# Allegro board SDHCalFEB20180110.brd (continued)
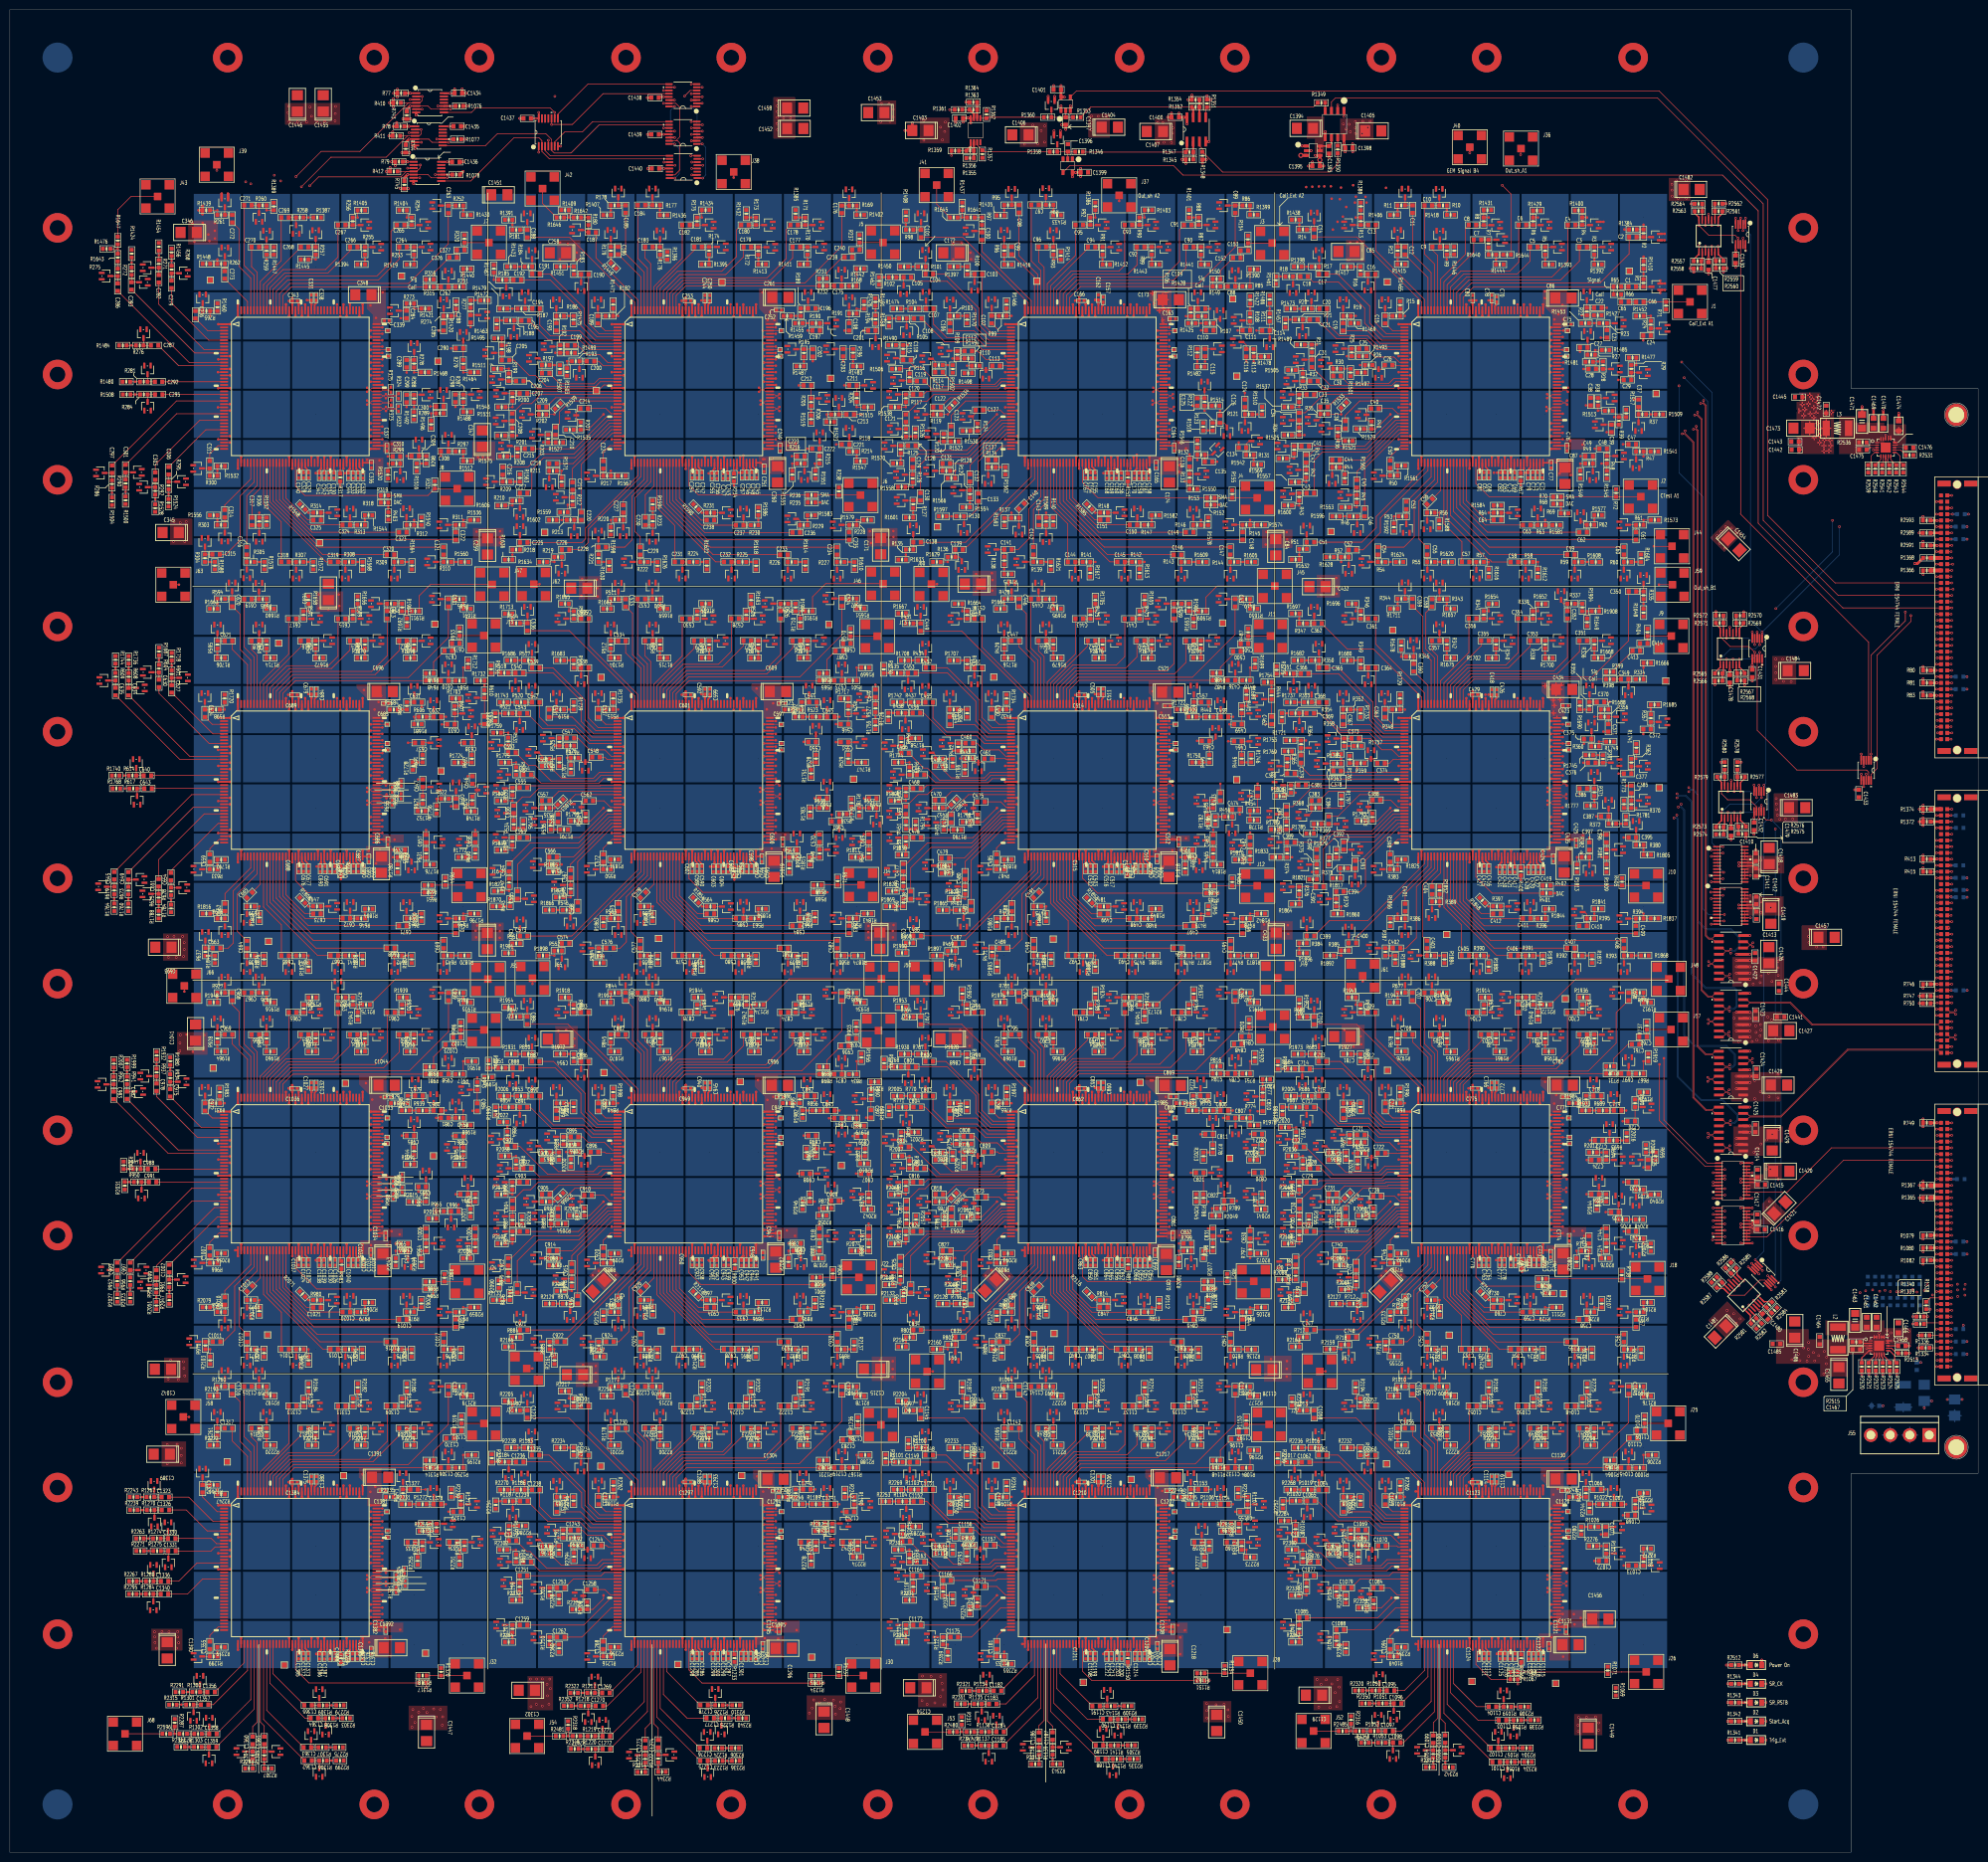
[diagram p0: board, top side]
## Routing (per net, layer and track width the routed paths; a pad name or vN(x,y) marks a point on that pad's centre or on a via; arc(x,y) is an arc through that point) (continued)
SELECT_A: length 384.4
  TOP w0.127: U260.114 v1(73.38,306.62) ; U195.114 154.57,306.62 U195.114 ; U195.114 v1(153.39,306.62) ; U65.114 v1(315.77,306.62) ; v1(233.4,306.62) U130.114 ; U1050.9 v4(348.5,199.12)
  GND1 w0.127: v1(73.38,306.62) v2(74.12,306.62) ; v1(315.77,306.62) v2(316.51,306.62) ; v2(152.65,306.62) v1(153.39,306.62) ; v2(232.66,306.62) v1(233.4,306.62)
  SIG2 w0.127: v2(74.12,306.62) 152.11,306.62 152.11,306.62 v2(152.65,306.62) 180.5,306.62 181.42,305.7 187.34,305.7 188.26,306.62 v2(232.66,306.62) v2(316.51,306.62) 327.38,306.62 331.17,302.83 v4(339.97,302.83)
  BOTTOM w0.127: v4(339.97,302.83) 340.29,302.51 340.29,302.49 346.13,296.65 346.13,205.08 347.27,203.94 347.27,200.36 v4(348.5,199.12)
SELECT_B: length 307.2
  TOP w0.127: U390.114 v1(233.4,226.61) ; U1050.10 v4(345.67,198.47) ; U325.114 v1(315.77,226.61) ; U455.114 v1(153.39,226.61) ; U520.114 v1(73.38,226.61)
  GND1 w0.127: v1(73.38,226.61) v2(72.64,226.61) ; v1(153.39,226.61) v2(152.65,226.61) ; v1(233.4,226.61) v2(232.66,226.61) ; v1(315.77,226.61) v2(316.51,226.61)
  SIG2 w0.127: v2(72.64,226.61) 152.11,226.61 v2(152.65,226.61) v2(232.66,226.61) 262.75,226.61 263.35,227.2 309.52,227.2 310.12,226.61 v2(316.51,226.61) 330.69,226.61 332.61,224.69 v2(341.5,224.69)
  SIG3 w0.127: v2(341.5,224.69) 344.25,221.95 344.25,199.9 v4(345.67,198.47)
SELECT_C: length 320.3
  TOP w0.127: U650.114 v1(233.4,146.6) ; U1050.11 v4(348.34,197.82) ; U715.114 v1(153.39,146.6) ; U780.114 v1(73.38,146.6) ; v1(315.78,146.6) U585.114
  GND1 w0.127: v1(315.78,146.6) v2(316.51,146.6) ; v1(153.39,146.6) v2(152.66,146.6) ; v1(73.38,146.6) v2(72.65,146.6) ; v1(233.4,146.6) v2(232.67,146.6)
  SIG1 w0.127: v2(316.51,146.6) 319.91,150 319.91,172.87 344.86,197.82 v4(348.34,197.82)
  SIG2 w0.127: v2(72.65,146.6) 97.19,146.6 97.84,145.95 101.85,145.95 102.51,146.6 v2(152.66,146.6) v2(232.67,146.6) 256.96,146.6 257.68,145.87 263.2,145.87 263.92,146.6 v2(316.51,146.6)
SELECT_D: length 399.3
  TOP w0.127: U845.114 v1(315.78,66.59) ; U975.114 v1(153.39,66.59) ; U1050.12 v4(345.97,197.17) ; U1040.114 v1(73.38,66.59) ; U910.114 v1(233.4,66.59)
  GND1 w0.127: v1(73.38,66.59) v2(72.65,66.59) ; v1(315.78,66.59) v2(316.51,66.59) ; v1(153.39,66.59) v2(152.66,66.59) ; v1(233.4,66.59) v2(232.67,66.59)
  SIG2 w0.127: v2(72.65,66.59) 77.43,66.59 78,66.01 99.09,66.01 99.49,65.61 105.08,65.61 106.06,66.59 v2(152.66,66.59) 159.09,66.59 160.17,65.51 163.93,65.51 164.36,65.94 180.26,65.94 180.91,66.59 v2(232.67,66.59) 243.57,66.59 244.37,65.79 247.58,65.79 247.59,65.8 248.06,65.8 248.08,65.79 262.38,65.79 263.19,66.59 v2(316.51,66.59) 318.91,66.59 339.17,86.84 339.17,190.37 v4(345.97,197.17)
SR_A1TOA2: length 85.5
  TOP w0.127: TP16.1 316.74,309.22 v1(315.9,309.22) U65.118 ; v1(235.76,308.57) U130.117
  GND1 w0.127: v2(236.5,308.57) v1(235.76,308.57) ; v1(315.9,309.22) v2(316.76,309.22)
  SIG2 w0.127: v2(236.5,308.57) 311.87,308.57 312.52,309.22 v2(316.76,309.22)
SR_A2TOA3: length 82.6
  TOP w0.127: TP25.1 236.9,309.22 U130.118 v1(233.4,309.22) ; v1(155.75,308.57) U195.117
  GND1 w0.127: v1(155.75,308.57) v2(156.49,308.57) ; v1(233.4,309.22) v2(232.66,309.22)
  SIG2 w0.127: v2(156.49,308.57) 179.74,308.57 180.39,309.22 v2(232.66,309.22)
SR_A3TOA4: length 82.6
  TOP w0.127: v1(153.11,309.22) U195.118 154.58,309.22 TP36.1 ; v1(75.74,308.57) U260.117
  GND1 w0.127: v1(153.11,309.22) v2(152.22,309.22) ; v2(76.48,308.57) v1(75.74,308.57)
  SIG2 w0.127: v2(152.22,309.22) 97.23,309.22 96.58,308.57 v2(76.48,308.57)
SR_B1TOB2: length 85.2
  TOP w0.127: SR.1 316.88,229.21 v1(315.77,229.21) U325.118 ; U390.117 v1(235.76,228.56)
  GND1 w0.127: v1(235.76,228.56) v2(236.5,228.56) ; v1(315.77,229.21) v2(316.51,229.21)
  SIG2 w0.127: v2(236.5,228.56) 261.58,228.56 262.23,229.21 v2(316.51,229.21)
SR_B2TOB3: length 82.7
  TOP w0.127: v1(233.4,229.21) U390.118 234.59,229.22 TP58.1 ; U455.117 v1(155.75,228.56)
  GND1 w0.127: v1(233.4,229.21) v2(232.66,229.21) ; v1(155.75,228.56) v2(156.49,228.56)
  SIG2 w0.127: v2(232.66,229.21) 184.81,229.21 184.16,228.56 v2(156.49,228.56)
SR_B3TOB4: length 82.6
  TOP w0.127: U520.117 v1(75.74,228.56) ; TP69.1 156.85,229.21 U455.118 v1(153.39,229.21)
  GND1 w0.127: v1(153.39,229.21) v2(152.65,229.21) ; v1(75.74,228.56) v2(76.48,228.56)
  SIG2 w0.127: v2(152.65,229.21) 99.21,229.21 98.56,228.56 v2(76.48,228.56)
SR_C1TOC2: length 85.4
  TOP w0.127: U585.118 v1(315.78,149.2) 317.01,149.2 TP91.1 ; U650.117 v1(235.76,148.55)
  GND1 w0.127: v1(315.78,149.2) v2(316.51,149.2) ; v1(235.76,148.55) v2(236.5,148.55)
  SIG2 w0.127: v2(316.51,149.2) 258.14,149.2 257.49,148.55 v2(236.5,148.55)
SR_C2TOC3: length 80.3
  TOP w0.127: U650.118 v1(233.4,149.2) ; U715.117 v1(155.75,148.55)
  GND1 w0.127: v1(233.4,149.2) v2(232.67,149.2) ; v1(155.75,148.55) v2(156.49,148.55)
  SIG2 w0.127: v2(232.67,149.2) 178.74,149.2 178.09,148.55 v2(156.49,148.55)
SR_C3TOC4: length 82.5
  TOP w0.127: TP113.1 156.76,149.2 U715.118 v1(153.39,149.2) ; U780.117 v1(75.74,148.55)
  GND1 w0.127: v1(153.39,149.2) v2(152.66,149.2) ; v1(75.74,148.55) v2(76.48,148.55)
  SIG2 w0.127: v2(76.48,148.55) 97.6,148.55 98.25,149.2 v2(152.66,149.2)
SR_CK_A: length 361.8
  TOP w0.127: J35.B16 v4(391.72,245.24) ; U65.116 v1(315.77,307.92) ; v1(73.38,307.92) U260.116 ; U195.116 154.57,307.92 U195.116 ; U195.116 v1(153.39,307.92) ; v1(233.4,307.92) U130.116
  GND1 w0.127: v1(233.4,307.92) v2(232.66,307.92) ; v1(315.77,307.92) v2(316.51,307.92) ; v2(72.64,307.92) v1(73.38,307.92) ; v2(152.65,307.92) v1(153.39,307.92)
  SIG1 w0.127: v2(316.51,307.92) 320.62,307.92 321.06,308.36 335.51,308.36 349.86,294 349.86,280.77 385.39,245.24 v4(391.72,245.24)
  SIG2 w0.127: v2(316.51,307.92) v2(232.66,307.92) v2(152.65,307.92) v2(72.64,307.92)
SR_CK_B: length 336.5
  TOP w0.127: U520.116 v1(73.38,227.91) ; J35.A1 v4(394.75,226.19) ; U325.116 v1(315.77,227.91) ; U390.116 v1(233.4,227.91) ; U455.116 v1(153.39,227.91)
  GND1 w0.127: v1(153.39,227.91) v2(152.65,227.91) ; v1(315.77,227.91) v2(316.51,227.91) ; v1(233.4,227.91) v2(232.66,227.91) ; v1(73.38,227.91) v2(72.64,227.91)
  SIG1 w0.127: v2(316.51,227.91) 323.78,227.91 323.82,227.88 324.29,227.88 324.32,227.91 324.81,227.91 326.03,229.13 353.24,229.13 359.97,222.4 372.59,222.4 375.49,225.3 393.86,225.3 v4(394.75,226.19)
  SIG2 w0.127: v2(72.64,227.91) 99.06,227.91 99.69,228.55 152.01,228.55 v2(152.65,227.91) v2(232.66,227.91) 262.07,227.91 262.74,228.57 310.87,228.57 311.54,227.91 v2(316.51,227.91)
SR_CK_C: length 341.6
  TOP w0.127: U780.116 v1(73.38,147.9) ; U715.116 v1(153.39,147.9) ; J34.B16 v4(391.8,181.49) ; U650.116 v1(233.4,147.9) ; v1(315.78,147.9) U585.116
  GND1 w0.127: v1(153.39,147.9) v2(152.66,147.9) ; v1(315.78,147.9) v2(316.51,147.9) ; v1(233.4,147.9) v2(232.67,147.9) ; v1(73.38,147.9) v2(72.65,147.9)
  SIG1 w0.127: v2(329.41,147.98) 330.14,147.98 363.65,181.49 v4(391.8,181.49)
  SIG2 w0.127: v2(329.41,147.98) 328.87,147.98 328.79,147.9 v2(316.51,147.9) v2(232.67,147.9) v2(152.66,147.9) v2(72.65,147.9)
SR_CK_D: length 355.6
  TOP w0.127: U975.116 v1(153.39,67.89) ; U910.116 v1(233.4,67.89) ; J33.B26 v4(391.77,130.43) ; U845.116 v1(315.78,67.89) ; U1040.116 v1(73.38,67.89)
  GND1 w0.127: v1(233.4,67.89) v2(232.67,67.89) ; v1(153.39,67.89) v2(152.66,67.89) ; v1(73.38,67.89) v2(72.65,67.89) ; v1(315.78,67.89) v2(316.51,67.89)
  SIG1 w0.127: v2(316.51,67.89) 321.69,67.89 349.81,96.01 349.81,99.34 380.9,130.43 v4(391.77,130.43)
  SIG2 w0.127: v2(316.51,67.89) v2(232.67,67.89) v2(152.66,67.89) v2(72.65,67.89)
SR_CK_E: length 99.6
  TOP w0.127: v4(357.12,34.21) 356.24,34.21 ; J33.A11 v4(394.75,111.38)
  SIG1 w0.127: v4(394.75,111.38) 394.08,110.71 394.08,104.24 381.01,91.17 380.7,91.17 380.43,90.9 380.43,90.83 380.3,90.7 371.73,90.7 357.12,76.1 v4(357.12,34.21)
SR_D1TOD2: length 85.2
  TOP w0.127: U845.118 v1(315.78,69.19) 316.83,69.19 TP137.1 ; U910.117 v1(235.76,68.54)
  GND1 w0.127: v1(235.76,68.54) v2(236.5,68.54) ; v1(315.78,69.19) v2(316.51,69.19)
  SIG2 w0.127: v2(236.5,68.54) 257.08,68.54 257.73,69.19 v2(316.51,69.19)
SR_D2TOD3: length 80.3
  TOP w0.127: U910.118 v1(233.4,69.19) ; U975.117 v1(155.75,68.54)
  GND1 w0.127: v1(155.75,68.54) v2(156.49,68.54) ; v1(233.4,69.19) v2(232.67,69.19)
  SIG2 w0.127: v2(156.49,68.54) 182,68.54 182.65,69.19 v2(232.67,69.19)
SR_D3TOD4: length 82.6
  TOP w0.127: TP157.1 156.91,69.19 U975.118 v1(153.39,69.19) ; U1040.117 v1(75.74,68.54)
  GND1 w0.127: v1(75.74,68.54) v2(76.48,68.54) ; v1(153.39,69.19) v2(152.66,69.19)
  SIG2 w0.127: v2(76.48,68.54) 97.42,68.54 98.07,69.19 v2(152.66,69.19)
SR_IN_A: length 118.6
  TOP w0.127: J35.A17 v4(394.95,246.51) ; v1(313.41,308.57) U65.117
  GND1 w0.127: v1(313.41,308.57) v2(314.15,308.57)
  SIG1 w0.127: v2(314.15,308.57) 320.15,308.57 321.54,309.96 335.81,309.96 351.08,294.69 351.08,281.03 384.96,247.14 394.31,247.14 v4(394.95,246.51)
SR_IN_B: length 85.4
  TOP w0.127: v1(313.41,228.56) U325.117 ; J35.B2 v4(392,227.46)
  GND1 w0.127: v2(314.15,228.56) v1(313.41,228.56)
  SIG1 w0.127: v2(314.15,228.56) 323.12,228.56 324.35,229.78 353.99,229.78 360.45,223.32 372.21,223.32 376.35,227.46 v4(392,227.46)
SR_IN_C: length 104.7
  TOP w0.127: U585.117 v1(313.41,148.55) ; J34.A17 v4(394.75,182.76)
  GND1 w0.127: v2(314.15,148.55) v1(313.41,148.55)
  SIG1 w0.127: v2(330,149.61) 346.86,166.47 346.86,178.87 349.83,181.84 353.85,181.84 354.05,182.04 394.04,182.04 v4(394.75,182.76)
  SIG2 w0.127: v2(330,149.61) 325.54,149.61 324.49,148.55 v2(314.15,148.55)
SR_IN_D: length 110.9
  TOP w0.127: U845.117 v1(313.41,68.54) ; v4(394.75,131.7) J33.A27
  GND1 w0.127: v1(313.41,68.54) v2(312.68,68.54)
  SIG1 w0.127: v2(312.68,68.54) 317.36,68.54 379.91,131.09 394.14,131.09 v4(394.75,131.7)
SR_IN_E: length 3.3
  TOP w0.127: J33.B12 390.48,112.65 R1338.2
SR_OUT_A: length 365.6
  TOP w0.127: TP47.1 76.86,309.22 U260.118 v1(73.38,309.22) ; v4(391.92,247.78) J35.B18
  GND1 w0.127: v1(73.38,309.22) v2(72.64,309.22)
  SIG2 w0.127: v2(72.64,309.22) 73.92,309.22 82.93,318.24 329.84,318.24 352.83,295.25 352.83,280.9 385.95,247.78 v4(391.92,247.78)
SR_OUT_B: length 336.7
  TOP w0.127: TP80.1 76.75,229.21 U520.118 v1(73.38,229.21) ; v4(394.75,228.73) J35.A3
  GND1 w0.127: v1(73.38,229.21) v2(72.64,229.21)
  SIG2 w0.127: v4(394.75,228.73) 394.09,229.39 368.83,229.39 365.43,232.79 327.33,232.79 319.46,240.66 84.1,240.66 v2(72.64,229.21)
SR_OUT_C: length 342.9
  TOP w0.127: v1(73.38,149.2) U780.118 76.78,149.2 TP126.1 ; v4(391.92,184.03) J34.B18
  GND1 w0.127: v1(73.38,149.2) v2(72.65,149.2)
  SIG2 w0.127: v2(72.65,149.2) 84.34,160.89 252.44,160.89 252.5,160.96 322.45,160.96 327.46,155.96 v2(337.26,155.96)
  SIG3 w0.127: v2(337.26,155.96) 337.36,155.85 363.75,155.85 v4(391.92,184.03)
SR_OUT_D: length 353.9
  TOP w0.127: v4(394.75,134.24) J33.A29 ; v1(73.38,69.19) U1040.118 76.67,69.19 TP170.1
  GND1 w0.127: v1(73.38,69.19) v2(72.65,69.19)
  SIG1 w0.127: v2(327.15,86.74) 334.39,86.74 381.28,133.63 394.14,133.63 v4(394.75,134.24)
  SIG2 w0.127: v2(72.65,69.19) 81.76,78.31 318.72,78.31 v2(327.15,86.74)
SR_OUT_E: length 7.6
  TOP w0.127: R1338.1 v4(390.5,110.34) ; v4(394.75,113.92) J33.A13
  SIG2 w0.127: v4(394.75,113.92) 393.58,113.92 390.5,110.85 v4(390.5,110.34)
SR_RSTB_A: length 360
  TOP w0.127: U65.115 v1(313.41,307.27) ; U195.115 154.57,307.27 v1(155.75,307.27) ; v1(75.74,307.27) U260.115 ; J35.A15 v4(394.75,243.97) ; v1(235.76,307.27) U130.115
  GND1 w0.127: v1(235.76,307.27) v2(236.5,307.27) ; v2(76.48,307.27) v1(75.74,307.27) ; v2(156.49,307.27) v1(155.75,307.27) ; v1(313.41,307.27) v2(312.67,307.27)
  SIG1 w0.127: v4(394.75,243.97) 394.12,244.6 384.56,244.6 348.77,280.39 348.77,292.4 335.13,306.04 331.6,306.04 330.48,307.16 322.02,307.16 321.91,307.27 v2(312.67,307.27)
  SIG2 w0.127: v2(76.48,307.27) v2(156.49,307.27) v2(236.5,307.27) v2(312.67,307.27)
SR_RSTB_B: length 336.3
  TOP w0.127: U390.115 v1(235.76,227.26) ; U455.115 v1(155.75,227.26) ; J34.A35 v4(394.75,205.62) ; U520.115 v1(75.74,227.26) ; U325.115 v1(313.41,227.26)
  GND1 w0.127: v1(313.41,227.26) v2(312.68,227.26) ; v1(75.74,227.26) v2(76.48,227.26) ; v1(235.76,227.26) v2(236.5,227.26) ; v1(155.75,227.26) v2(156.49,227.26)
  SIG1 w0.127: v4(394.75,205.62) 394.14,206.22 378.54,206.22 363.37,221.39 359.71,221.39 353.84,227.26 v2(312.68,227.26)
  SIG2 w0.127: v2(312.68,227.26) 311.09,227.26 310.36,227.99 263.14,227.99 262.41,227.26 v2(236.5,227.26) v2(156.49,227.26) 77.03,227.26 v2(76.48,227.26)
SR_RSTB_C: length 340.4
  TOP w0.127: U715.115 v1(155.75,147.25) ; U585.115 v1(313.41,147.25) ; U780.115 v1(75.74,147.25) ; J34.A15 v4(394.75,180.22) ; U650.115 v1(235.76,147.25)
  GND1 w0.127: v1(75.74,147.25) v2(76.48,147.25) ; v1(235.76,147.25) v2(236.5,147.25) ; v1(155.75,147.25) v2(156.49,147.25) ; v1(313.41,147.25) v2(312.68,147.25)
  SIG1 w0.127: v2(332.41,147.25) 334.61,149.45 348.49,149.45 378.64,179.6 394.14,179.6 v4(394.75,180.22)
  SIG2 w0.127: v2(76.48,147.25) 100.92,147.25 100.93,147.26 101.41,147.26 101.41,147.25 v2(156.49,147.25) v2(236.5,147.25) v2(312.68,147.25) v2(332.41,147.25)
SR_RSTB_D: length 354.4
  TOP w0.127: U1040.115 v1(75.74,67.24) ; U845.115 v1(313.41,67.24) ; U910.115 v1(235.76,67.24) ; J33.A25 v4(394.75,129.16) ; U975.115 v1(155.75,67.24)
  GND1 w0.127: v1(235.76,67.24) v2(236.5,67.24) ; v1(155.75,67.24) v2(156.49,67.24) ; v1(75.74,67.24) v2(76.48,67.24) ; v1(313.41,67.24) v2(312.68,67.24)
  SIG1 w0.127: v2(312.68,67.24) 313.22,67.24 313.29,67.31 322.22,67.31 350.44,95.53 350.44,99.01 379.96,128.52 394.12,128.52 v4(394.75,129.16)
  SIG2 w0.127: v2(312.68,67.24) v2(236.5,67.24) v2(156.49,67.24) v2(76.48,67.24)
SR_RSTB_E: length 101.9
  TOP w0.127: J33.B10 v4(391.92,110.11) ; v4(357.12,30.4) 356.24,30.4
  SIG1 w0.127: v4(391.92,110.11) 391.75,110.11 390.93,109.3 390.93,106.68 387.25,103 387.25,101.54 385.85,100.15 385.85,98.2 379.07,91.41 371.12,91.41 355.55,75.84 355.55,31.98 v4(357.12,30.4)
STARTACQ_A: length 367.4
  TOP w0.127: v1(233.4,292.32) U130.92 ; J35.A7 v4(394.75,233.81) ; U195.92 154.57,292.32 v1(153.39,292.32) ; v1(73.38,292.32) U260.92 ; U65.92 v1(315.77,292.32)
  GND1 w0.127: v2(154.13,292.32) v1(153.39,292.32) ; v2(315.04,292.32) v1(315.77,292.32) ; v1(233.4,292.32) v2(234.14,292.32) ; v1(73.38,292.32) v2(74.12,292.32)
  SIG1 w0.127: v4(394.75,233.81) 394.72,233.81 394.11,234.42 372.08,234.42 340.39,266.12 340.39,275.59 323.65,292.32 v2(315.04,292.32)
  SIG2 w0.127: v2(74.12,292.32) 74.72,291.72 80.85,291.72 81.86,290.7 126.19,290.7 127.13,291.64 131.02,291.64 131.03,291.63 152.39,291.63 153.08,292.32 v2(154.13,292.32) 156.63,292.32 157.35,291.59 187.45,291.59 189.13,293.27 194.89,293.27 196.57,291.59 232,291.59 232.73,292.32 v2(234.14,292.32) 236.58,292.32 237.11,291.8 240.97,291.8 242.29,290.47 249.53,290.47 253.92,286.08 278.82,286.08 281.89,289.15 302.64,289.15 305.1,291.62 314.33,291.62 v2(315.04,292.32)
STARTACQ_B: length 334.1
  TOP w0.127: J34.B26 v4(391.95,194.19) ; v1(235.76,212.31) 234.58,212.31 U390.92 ; U455.92 154.57,212.31 v1(155.75,212.31) ; U325.92 v1(315.77,212.31) ; U520.92 v1(75.74,212.31)
  GND1 w0.127: v1(235.76,212.31) v2(236.5,212.31) ; v1(315.77,212.31) v2(316.51,212.31) ; v1(155.75,212.31) v2(156.49,212.31) ; v1(75.74,212.31) v2(76.48,212.31)
  SIG1 w0.127: v2(316.51,212.31) 329.63,212.31 334.61,207.33 366.92,207.33 380.06,194.19 v4(391.95,194.19)
  SIG2 w0.127: v2(76.48,212.31) 80.73,212.31 81.41,211.63 154.63,211.63 155.31,212.31 v2(156.49,212.31) 161.05,212.31 161.77,211.58 234.44,211.58 235.17,212.31 v2(236.5,212.31) 241.64,212.31 243.54,210.41 287.81,210.41 288.87,211.48 314.17,211.48 315,212.31 v2(316.51,212.31)
STARTACQ_C: length 337
  TOP w0.127: U650.92 v1(235.76,132.3) ; U780.92 v1(75.74,132.3) ; U715.92 v1(155.75,132.3) ; v1(315.78,132.3) U585.92 ; J33.A39 v4(394.75,146.94)
  GND1 w0.127: v1(315.78,132.3) v2(316.51,132.3) ; v1(155.75,132.3) v2(156.49,132.3) ; v1(75.74,132.3) v2(76.48,132.3) ; v1(235.76,132.3) v2(236.5,132.3)
  SIG1 w0.127: v2(316.51,132.3) 319.72,132.3 320.78,131.24 324.69,131.24 327,133.55 346.74,133.55 350.55,137.36 363.09,137.36 372.06,146.33 394.14,146.33 v4(394.75,146.94)
  SIG2 w0.127: v2(76.48,132.3) 81.7,132.3 82.98,131.01 129.87,131.01 130.43,131.57 154.13,131.57 154.86,132.3 v2(156.49,132.3) 161.4,132.3 162.79,130.91 210.41,130.91 211.07,131.57 234.19,131.57 234.92,132.3 v2(236.5,132.3) 241.23,132.3 242.57,130.96 292.15,130.96 292.82,131.63 314.05,131.63 314.72,132.3 v2(316.51,132.3)
STARTACQ_D: length 363
  TOP w0.127: U845.92 v1(315.78,52.29) ; U910.92 v1(235.76,52.29) ; U975.92 v1(155.75,52.29) ; J33.A17 v4(394.75,119) ; U1040.92 v1(75.74,52.29)
  GND1 w0.127: v1(155.75,52.29) v2(156.49,52.29) ; v1(235.76,52.29) v2(236.5,52.29) ; v1(315.78,52.29) v2(316.51,52.29) ; v1(75.74,52.29) v2(76.48,52.29)
  SIG1 w0.127: v2(316.51,52.29) 316.99,52.77 324.93,52.77 355.9,83.74 355.9,95.73 378.56,118.39 394.14,118.39 v4(394.75,119)
  SIG2 w0.127: v2(76.48,52.29) 77.14,51.63 153.96,51.63 154.63,52.29 v2(156.49,52.29) 159.01,52.29 159.69,51.61 234.39,51.61 235.07,52.29 v2(236.5,52.29) 239.68,52.29 240.34,51.63 314.7,51.63 315.36,52.29 v2(316.51,52.29)
STARTACQ_E: length 95.1
  TOP w0.127: J33.B2 v4(391.92,99.95) ; v4(357.12,26.59) 356.24,26.59
  SIG1 w0.127: v4(391.92,99.95) 390.96,99.95 378.82,87.81 370.1,87.81 358.27,75.97 358.27,27.74 v4(357.12,26.59)
STARTREADOUT1_A: length 114.5
  TOP w0.127: U65.110 v1(315.77,304.02) 315.78,304.01 TP14.1 ; J35.A13 v4(394.75,241.43)
  GND1 w0.127: v1(315.77,304.02) v2(315.04,304.02)
  SIG1 w0.127: v2(315.04,304.02) 317.81,304.02 319.15,305.36 326.95,305.36 337.74,294.56 338.84,294.56 346.13,287.27 346.13,280.14 384.23,242.04 394.14,242.04 v4(394.75,241.43)
STARTREADOUT1_B: length 90.8
  TOP w0.127: U325.110 v1(315.77,224.01) 316.96,224.01 SRD.1 ; J34.A33 v4(394.75,203.08)
  GND1 w0.127: v1(315.77,224.01) v2(316.51,224.01)
  SIG1 w0.127: v2(316.51,224.01) 354.15,224.01 358.75,219.41 362.71,219.41 378.41,203.71 394.12,203.71 v4(394.75,203.08)
STARTREADOUT1_C: length 96.9
  TOP w0.127: U585.110 v1(315.78,144) 317.14,144 TP89.1 ; J34.A13 v4(394.75,177.68)
  GND1 w0.127: v1(315.78,144) v2(316.51,144)
  SIG1 w0.127: v2(331.44,143.21) 346.58,143.21 380.47,177.09 394.17,177.09 v4(394.75,177.68)
  SIG2 w0.127: v2(316.51,144) 330.65,144 v2(331.44,143.21)
STARTREADOUT1_D: length 111.5
  TOP w0.127: U845.110 v1(315.78,63.99) 316.89,63.99 TP135.1 ; J33.A23 v4(394.75,126.62)
  GND1 w0.127: v1(315.78,63.99) v2(316.51,63.99)
  SIG1 w0.127: v4(394.75,126.62) 394.14,126.01 379.3,126.01 351.74,98.45 351.74,92.51 325.48,66.24 322.4,66.24 320.15,63.99 v2(316.51,63.99)
STARTREADOUT1_E: length 3.6
  TOP w0.127: R1339.2 389.46,107.57 J33.B8
STARTREADOUT2_A: length 114.4
  TOP w0.127: U65.111 v1(313.39,304.67) ; v4(391.92,242.7) J35.B14
  GND1 w0.127: v1(313.39,304.67) v2(312.4,304.67)
  SIG1 w0.127: v2(312.4,304.67) 317.16,304.67 318.49,305.99 330.51,305.99 347.35,289.15 347.35,280.44 385.09,242.7 v4(391.92,242.7)
STARTREADOUT2_B: length 89.6
  TOP w0.127: v1(313.41,224.66) 314.59,224.66 U325.111 ; J34.B34 v4(391.85,204.35)
  GND1 w0.127: v2(314.15,224.66) v1(313.41,224.66)
  SIG1 w0.127: v4(391.85,204.35) 379.27,204.35 363.22,220.4 359.28,220.4 354.16,225.51 322.31,225.51 321.46,224.66 v2(314.15,224.66)
STARTREADOUT2_C: length 94.7
  TOP w0.127: U585.111 v1(313.41,144.65) ; J34.B14 v4(391.92,178.95)
  GND1 w0.127: v2(314.15,144.65) v1(313.41,144.65)
  SIG1 w0.127: v2(331.19,146.43) 340.84,146.43 342.37,147.96 348.39,147.96 379.38,178.95 v4(391.92,178.95)
  SIG2 w0.127: v2(314.15,144.65) 317.55,144.65 319.33,146.43 v2(331.19,146.43)
STARTREADOUT2_D: length 110.4
  TOP w0.127: J33.B24 v4(391.92,127.89) ; U845.111 v1(313.41,64.64)
  GND1 w0.127: v1(313.41,64.64) v2(312.68,64.64)
  SIG1 w0.127: v2(312.68,64.64) 319.55,64.64 321.72,66.8 323.14,66.8 351.03,94.69 351.03,98.58 380.34,127.89 v4(391.92,127.89)
STARTREADOUT2_E: length 6.7
  TOP w0.127: J33.A9 393.97,108.84 v4(394.75,108.84) ; R1340.2 v4(389.99,108.84)
  SIG2 w0.127: v4(394.75,108.84) 394.74,108.84 394.21,109.37 390.91,109.37 390.37,108.84 v4(389.99,108.84)
T&H_A1: length 15
  TOP w0.127: U1058.2 352.44,329.54 v4(352.44,329.54) ; U1078.1 v4(343.48,326.39)
  TOP w0.254: U1078.1 343.48,324.78 342.41,323.71 R2557.1
  SIG2 w0.127: v4(352.44,329.54) 352.33,329.54 351.62,328.83 345.92,328.83 v4(343.48,326.39)
T&H_A2: length 10.4
  TOP w0.127: U1078.7 v4(347.38,326.34) ; v4(352.44,327.99) U1058.9
  TOP w0.254: R2559.1 348.45,323.69 347.38,324.76 U1078.7
  SIG2 w0.127: v4(347.38,326.34) 350.79,326.34 v4(352.44,327.99)
T&H_A3: length 9
  TOP w0.127: U1058.4 v4(351.44,329.54) ; U1078.8 v4(347.38,330.58)
  TOP w0.254: R2561.1 348.24,333.05 347.38,332.19 U1078.8
  SIG2 w0.127: v4(347.38,330.58) 350.45,330.58 351.44,329.58 v4(351.44,329.54)
T&H_A4: length 13.6
  TOP w0.127: U1078.14 v4(343.48,330.58) 345.46,328.6 350.83,328.6 v4(351.44,327.99) U1058.7
  TOP w0.254: R2563.1 342.61,333.08 343.48,332.21 U1078.14
T&H_B1: length 13.9
  TOP w0.127: v4(355.82,245.39) U1062.2 ; U1079.1 v4(347.8,242.44)
  TOP w0.254: R2565.1 346.73,239.74 347.8,240.81 U1079.1
  BOTTOM w0.127: v4(355.82,245.39) 354.98,244.55 349.91,244.55 347.8,242.44 v4(347.8,242.44)
T&H_B2: length 9.3
  TOP w0.127: U1079.7 351.7,242.31 351.69,242.32 v4(351.69,242.44) ; v4(355.82,243.84) U1062.9
  TOP w0.254: U1079.7 351.7,240.86 352.77,239.79 R2567.1
  BOTTOM w0.127: v4(355.82,243.84) 354.42,242.44 v4(351.69,242.44)
T&H_B3: length 8.4
  TOP w0.127: v4(354.82,245.39) U1062.4 ; U1079.8 v4(351.7,246.68)
  TOP w0.254: R2569.1 352.56,249.59 351.7,248.73 U1079.8
  BOTTOM w0.127: v4(354.82,245.39) 353.53,246.68 v4(351.7,246.68)
T&H_B4: length 12.8
  TOP w0.127: U1062.7 354.82,243.84 v4(354.82,243.84) 353.65,245.01 349.81,245.01 347.8,247.02 U1079.14
  TOP w0.254: R2571.1 346.93,249.62 347.8,248.75 U1079.14
T&H_C1: length 14.1
  TOP w0.127: U1080.1 v4(348.05,211.3) ; v4(356.18,214.3) U1065.2
  TOP w0.254: R2573.1 346.95,208.55 348.05,209.65 U1080.1
  BOTTOM w0.127: v4(356.18,214.3) 354.88,213 349.76,213 v4(348.05,211.3)
T&H_C2: length 9.4
  TOP w0.127: U1080.7 v4(351.95,211.3) ; v4(356.18,212.75) U1065.9
  TOP w0.254: R2575.1 353.02,208.63 351.95,209.69 U1080.7
  BOTTOM w0.127: v4(351.95,211.3) 354.72,211.3 v4(356.18,212.75)
T&H_C3: length 8.3
  TOP w0.127: U1080.8 v4(351.95,215.54) ; v4(355.18,214.3) U1065.4
  TOP w0.254: U1080.8 351.95,217.41 352.82,218.27 R2577.1
  BOTTOM w0.127: v4(355.18,214.3) 353.94,215.54 v4(351.95,215.54)
T&H_C4: length 13
  TOP w0.127: U1065.7 355.18,212.49 353.8,213.87 349.3,213.87 348.05,215.12 U1080.14
  TOP w0.254: U1080.14 348.05,217.43 347.18,218.3 R2579.1
T&H_D1: length 14.1
  TOP w0.127: v4(356.36,118.21) U1069.2 ; v4(352.73,110.26) 353.51,109.48 U1081.1
  TOP w0.254: U1081.1 353.95,109.09 353.95,107.56 R2581.1
  SIG2 w0.127: v4(352.73,110.26) 352.73,110.26 352.73,113.64 356.36,117.27 v4(356.36,118.21)
T&H_D2: length 9.5
  TOP w0.127: v4(355.51,113.04) 355.52,113.04 U1081.7 ; v4(357.46,117.12) U1069.9
  TOP w0.254: R2583.1 358.22,111.89 356.67,111.89 U1081.7
  SIG2 w0.127: v4(357.46,117.12) 357.46,114.99 v4(355.51,113.04)
T&H_D3: length 8.3
  TOP w0.127: v4(352.53,116.05) 351.74,116.84 U1081.8 ; v4(355.66,117.51) U1069.4
  TOP w0.254: R2585.1 351.21,118.58 351.21,117.35 U1081.8
  SIG2 w0.127: v4(355.66,117.51) 353.99,117.51 v4(352.53,116.05)
T&H_D4: length 12.8
  TOP w0.127: U1081.14 348.96,114.08 349.86,113.18 352.76,113.18 355.83,116.26 356.91,116.26 U1069.7
  TOP w0.254: U1081.14 348.49,114.55 347.25,114.55 R2587.1
TRANSMITON1B_A: length 361.1
  TOP w0.127: U260.106 v1(73.38,301.42) ; U130.106 234.58,301.42 v1(233.4,301.42) ; v1(153.39,301.42) 154.57,301.42 U195.106 ; J35.B10 v4(391.85,237.62) ; U65.106 v1(315.77,301.42)
  TOP w0.508: v4(391.85,237.62) 391.85,237.62 R81.2
  GND1 w0.127: v2(232.66,301.42) v1(233.4,301.42) ; v1(153.39,301.42) v2(152.65,301.42) ; v1(73.38,301.42) v2(72.64,301.42) ; v1(315.77,301.42) v2(315.04,301.42)
  SIG1 w0.127: v2(315.04,301.42) 318.18,301.42 318.82,302.06 321.64,302.06 342.95,280.75 342.95,279.37 384.71,237.62 v4(391.85,237.62)
  SIG2 w0.127: v2(315.04,301.42) 312.95,301.42 310.95,299.42 262.15,299.42 261.19,300.38 238.43,300.38 237.39,301.42 v2(232.66,301.42) 232.12,301.42 231.46,300.76 204.39,300.76 203.71,300.08 180.85,300.08 180.19,300.74 159.03,300.74 158.35,301.42 v2(152.65,301.42) 144.75,301.42 143.61,300.28 127.84,300.28 127.33,300.79 123.34,300.79 122.61,300.05 78.82,300.05 77.45,301.42 v2(72.64,301.42)
TRANSMITON1B_B: length 345.4
  TOP w0.127: J34.A29 v4(394.75,198) ; U390.106 v1(233.4,221.41) ; U455.106 v1(153.39,221.41) ; U325.106 v1(315.77,221.41) ; U520.106 v1(73.38,221.41)
  GND1 w0.127: v1(315.77,221.41) v2(316.49,221.41) ; v1(73.38,221.41) v2(72.64,221.41) ; v1(153.39,221.41) v2(154.13,221.41) ; v1(233.4,221.41) v2(234.14,221.41)
  SIG1 w0.127: v2(316.49,221.41) 318.01,221.41 318.56,221.96 321.52,221.96 322.35,221.13 345.19,221.13 345.64,220.68 353.9,220.68 357.96,216.61 362.23,216.61 380.26,198.58 394.17,198.58 v4(394.75,198)